# KiCad board CPU2908C3.kicad_pcb
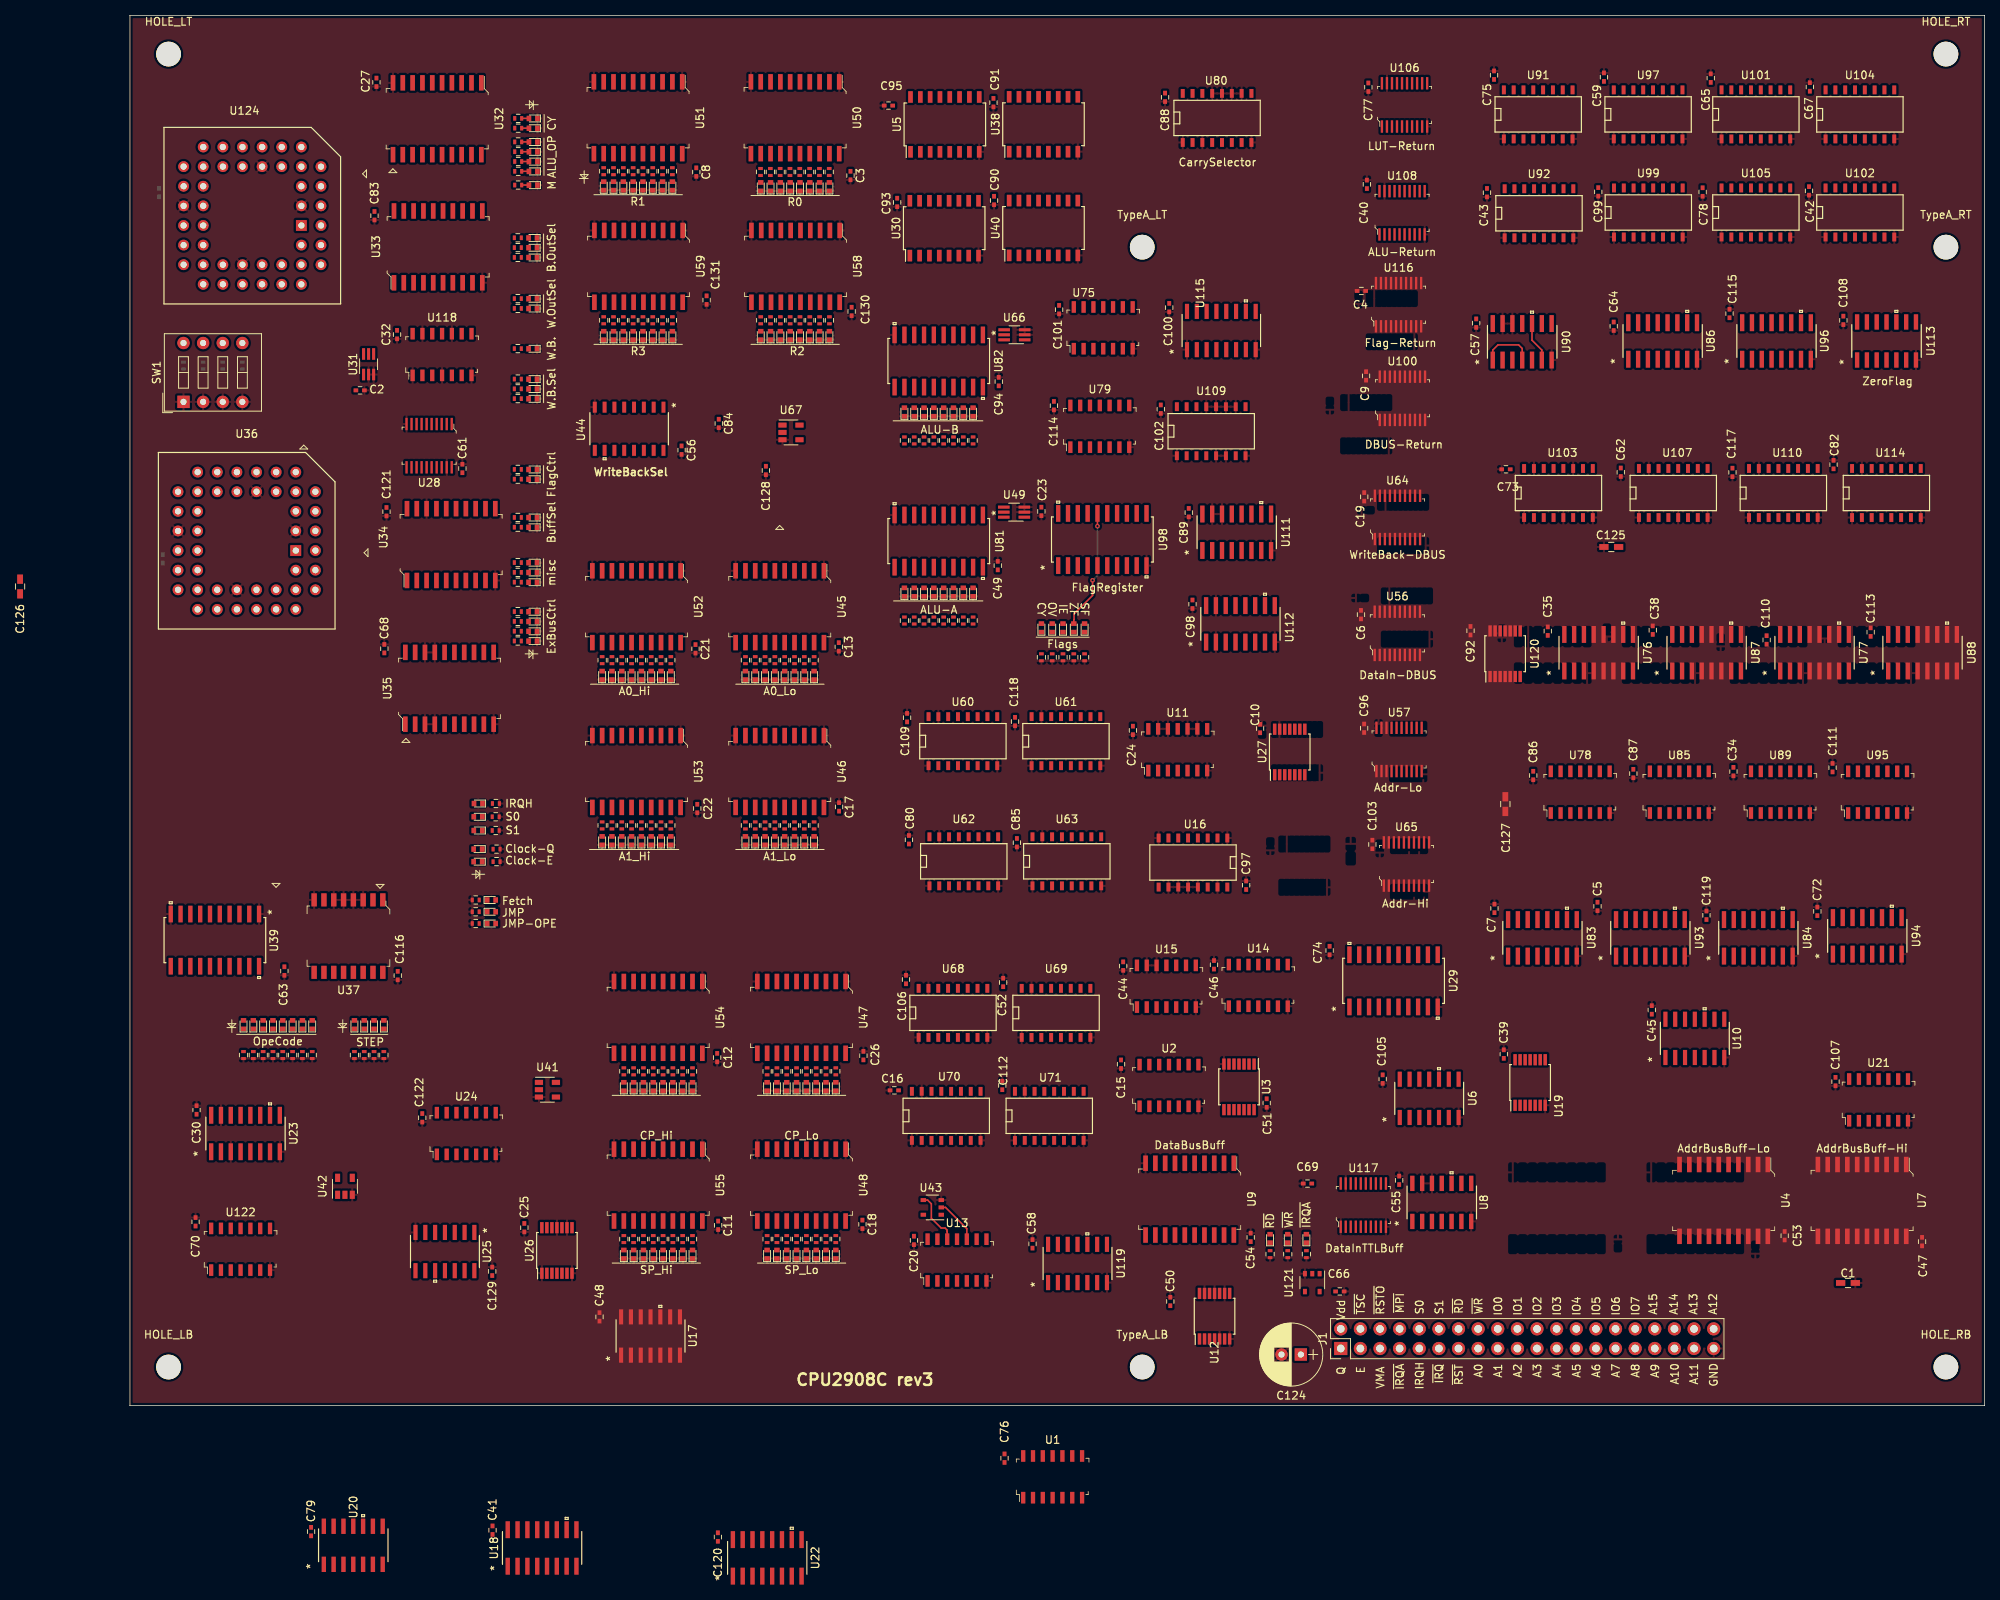
[diagram p0: board, top side]
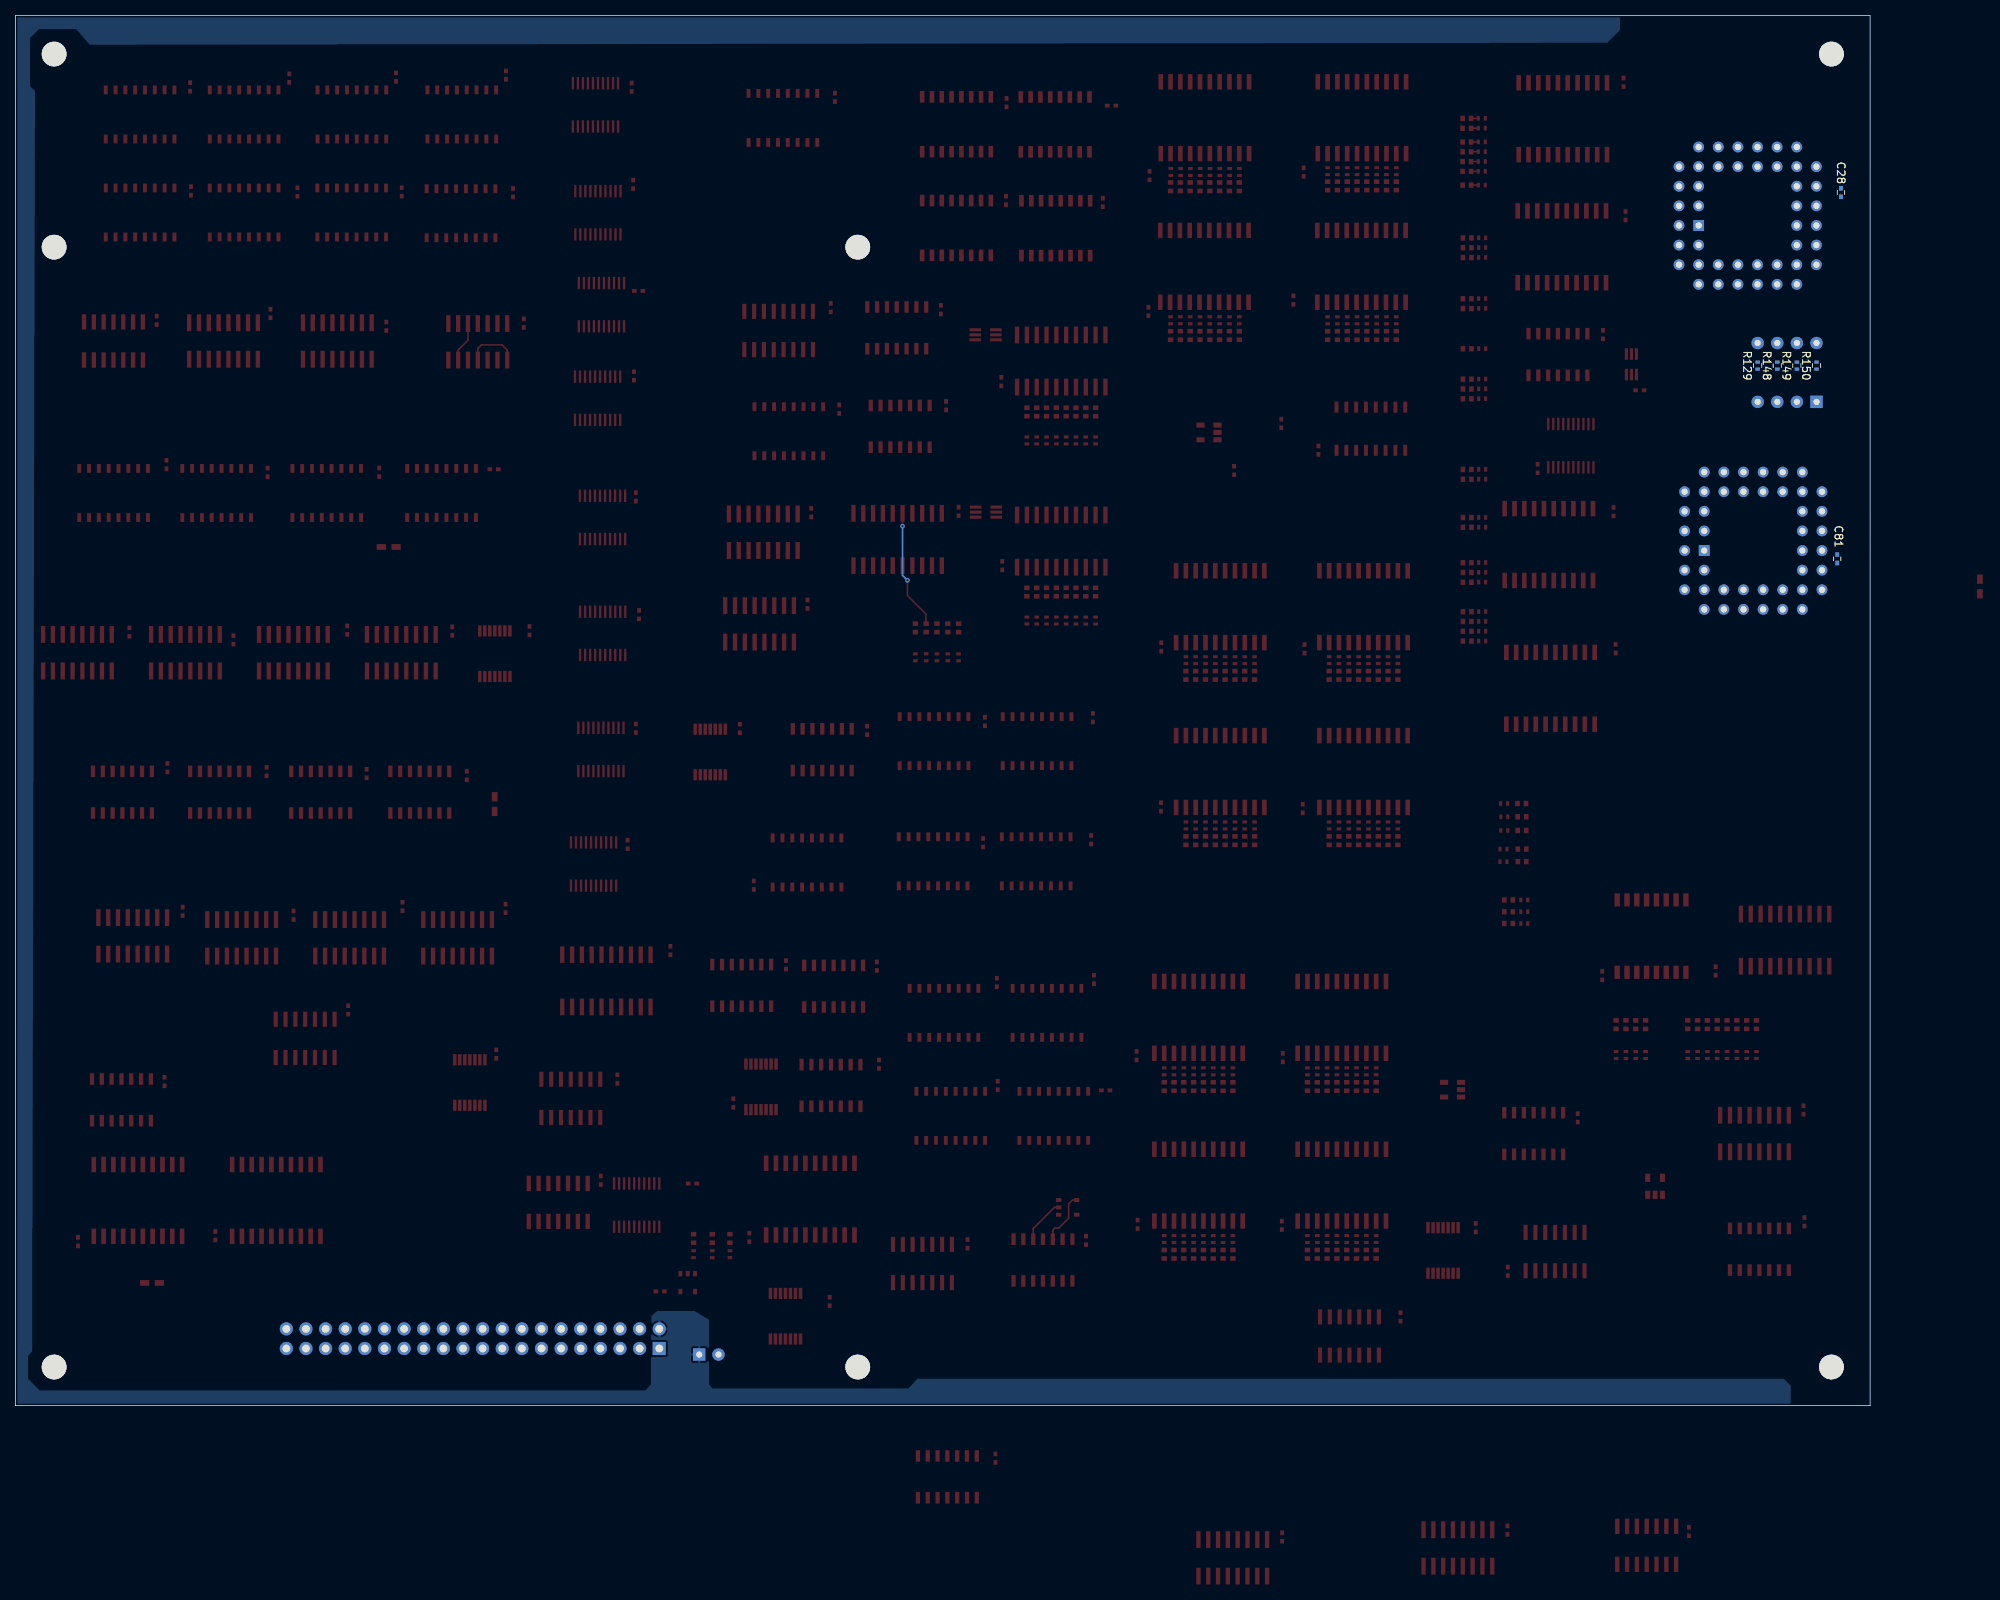
[diagram p1: board, bottom side, seen from below]

Outline 240 x 180 mm; copper layers: Top, Bottom. Coordinates in mm from the lower left corner of the outline.
Outline path: 0,180 240,180 240,0 0,0 0,180

## Placement (name value [footprint] x y rotation side)
C1  10uF  [C_0603_HandSoldering]  222.33 15.89 0 top
C2  0.1uF  [C_0402]  29.79 131.46 0 top
C3  0.1uF  [C_0402]  93.24 159.27 270 top
C4  0.1uF  [C_0402]  159.36 144.33 180 top
C5  0.1uF  [C_0402]  189.91 64.63 270 top
C6  0.1uF  [C_0402]  159.31 102.42 270 top
C7  0.1uF  [C_0402]  176.58 64.38 90 top
C8  0.1uF  [C_0402]  73.29 159.72 270 top
C9  0.1uF  [C_0402]  159.97 133.32 270 top
C10  0.1uF  [C_0402]  146.25 87.67 90 top
C11  0.1uF  [C_0402]  76.12 23.35 270 top
C12  0.1uF  [C_0402]  76 45.06 270 top
C13  0.1uF  [C_0402]  91.73 98.24 270 top
C15  0.1uF  [C_0402]  128.26 44.21 270 top
C16  0.1uF  [C_0402]  98.92 40.82 180 top
C17  0.1uF  [C_0402]  91.77 77.52 90 top
C18  0.1uF  [C_0402]  94.79 23.47 270 top
C19  0.1uF  [C_0402]  159.73 117.67 270 top
C20  0.1uF  [C_0402]  101.46 21.39 270 top
C21  0.1uF  [C_0402]  73.19 97.98 270 top
C22  0.1uF  [C_0402]  73.42 77.31 270 top
C23  0.1uF  [C_0402]  117.95 115.78 270 top
C24  0.1uF  [C_0402]  129.79 87.43 270 top
C25  0.1uF  [C_0402]  51.04 23.04 270 top
C26  0.1uF  [C_0402]  94.92 45.32 90 top
C27  0.1uF  [C_0402]  31.9 171.34 270 top
C28  0.1uF  [C_0402]  3.77 157.07 270 bottom
C30  0.1uF  [C_0402]  8.62 38.28 90 top
C32  0.1uF  [C_0402]  34.57 138.68 270 top
C34  0.1uF  [C_0402]  207.5 82.1 270 top
C35  0.1uF  [C_0402]  183.48 100.28 270 top
C38  0.1uF  [C_0402]  197.06 100.41 270 top
C39  0.1uF  [C_0402]  177.79 45.52 90 top
C40  0.1uF  [C_0402]  160.07 158.13 90 top
C41  0.1uF  [C_0402]  46.93 -16.12 90 top
C42  0.1uF  [C_0402]  217.28 157.28 270 top
C43  0.1uF  [C_0402]  175.61 157.05 270 top
C44  0.1uF  [C_0402]  128.54 56.91 270 top
C45  0.1uF  [C_0402]  196.94 51.24 90 top
C46  0.1uF  [C_0402]  140.28 57.08 90 top
C47  0.1uF  [C_0402]  231.91 21.24 270 top
C48  0.1uF  [C_0402]  60.77 11.49 90 top
C49  0.1uF  [C_0402]  112.3 108.77 90 top
C50  0.1uF  [C_0402]  134.63 13.49 90 top
C51  0.1uF  [C_0402]  147.1 39.18 270 top
C52  0.1uF  [C_0402]  113 54.79 90 top
C53  0.1uF  [C_0402]  214.13 22 90 top
C54  0.1uF  [C_0402]  145.03 21.78 90 top
C55  0.1uF  [C_0402]  164.25 29.17 90 top
C56  0.1uF  [C_0402]  71.39 123.71 270 top
C57  0.1uF  [C_0402]  174.22 140.16 270 top
C58  0.1uF  [C_0402]  116.8 20.95 90 top
C59  0.1uF  [C_0402]  190.75 172.01 90 top
C61  0.1uF  [C_0402]  43.02 121.34 90 top
C62  0.1uF  [C_0402]  192.93 120.85 270 top
C63  0.1uF  [C_0402]  19.99 56.27 270 top
C64  0.1uF  [C_0402]  192.01 139.75 270 top
C65  0.1uF  [C_0402]  204.57 171.89 90 top
C66  0.1uF  [C_0402]  156.58 14.79 0 top
C67  0.1uF  [C_0402]  217.39 170.74 90 top
C68  0.1uF  [C_0402]  32.92 98.01 90 top
C69  0.1uF  [C_0402]  152.39 28.76 180 top
C70  0.1uF  [C_0402]  8.5 23.8 90 top
C72  0.1uF  [C_0402]  218.36 64 90 top
C73  0.1uF  [C_0402]  178.07 121.23 180 top
C74  0.1uF  [C_0402]  155.24 58.93 270 top
C75  0.1uF  [C_0402]  176.53 172.27 90 top
C76  0.1uF  [C_0402]  113.18 -6.8 270 top
C77  0.1uF  [C_0402]  160.26 170.7 270 top
C78  0.1uF  [C_0402]  203.52 157.14 270 top
C79  0.1uF  [C_0402]  23.44 -16.31 270 top
C80  0.1uF  [C_0402]  100.81 73.27 90 top
C81  0.1uF  [C_0402]  4.25 109.65 90 bottom
C82  0.1uF  [C_0402]  220.46 121.85 90 top
C83  0.1uF  [C_0402]  31.65 154.07 270 top
C84  0.1uF  [C_0402]  76.2 127.17 270 top
C85  0.1uF  [C_0402]  114.78 72.89 270 top
C86  0.1uF  [C_0402]  181.6 81.59 270 top
C87  0.1uF  [C_0402]  194.55 81.84 270 top
C88  0.1uF  [C_0402]  133.96 169.4 270 top
C89  0.1uF  [C_0402]  137.02 115.62 270 top
C90  0.1uF  [C_0402]  111.82 156.04 270 top
C91  0.1uF  [C_0402]  111.75 168.71 270 top
C92  0.1uF  [C_0402]  173.48 100.34 270 top
C93  0.1uF  [C_0402]  99.29 155.79 270 top
C94  0.1uF  [C_0402]  112.43 132.59 90 top
C95  0.1uF  [C_0402]  98.16 168.33 180 top
C96  0.1uF  [C_0402]  159.72 87.71 90 top
C97  0.1uF  [C_0402]  144.45 67.38 90 top
C98  0.1uF  [C_0402]  137.5 103.76 270 top
C99  0.1uF  [C_0402]  190.01 157.15 270 top
C100  0.1uF  [C_0402]  134.49 142.17 270 top
C101  0.1uF  [C_0402]  120.24 141.91 270 top
C102  0.1uF  [C_0402]  133.4 129.02 270 top
C103  0.1uF  [C_0402]  160.78 72.66 270 top
C105  0.1uF  [C_0402]  162.11 42.28 270 top
C106  0.1uF  [C_0402]  100.43 55.17 90 top
C107  0.1uF  [C_0402]  220.71 41.96 270 top
C108  0.1uF  [C_0402]  221.73 140.52 270 top
C109  0.1uF  [C_0402]  100.57 89.08 90 top
C110  0.1uF  [C_0402]  211.8 99.14 270 top
C111  0.1uF  [C_0402]  220.33 82.61 90 top
C112  0.1uF  [C_0402]  112.89 41.46 90 top
C113  0.1uF  [C_0402]  225.26 100.16 270 top
C114  0.1uF  [C_0402]  119.57 129.48 270 top
C115  0.1uF  [C_0402]  207 141.41 90 top
C116  0.1uF  [C_0402]  34.66 55.68 270 top
C117  0.1uF  [C_0402]  207.38 120.83 270 top
C118  0.1uF  [C_0402]  114.54 88.57 270 top
C119  0.1uF  [C_0402]  204.01 63.49 90 top
C120  0.1uF  [C_0402]  76.08 -17.01 90 top
C121  0.1uF  [C_0402]  33.2 115.74 270 top
C122  0.1uF  [C_0402]  37.83 37.27 270 top
C124  47uF  [CP_Radial_D8.0mm_P2.50mm]  151.52 6.62 180 top
C125  10uF  [C_0603_HandSoldering]  191.69 111.18 180 top
C126  10uF  [C_0603_HandSoldering]  -14.21 106.06 270 top
C127  10uF  [C_0603_HandSoldering]  177.99 77.89 90 top
C128  0.1uF  [C_0402]  82.3 121.08 270 top
C129  0.1uF  [C_0402]  46.89 17.39 90 top
C130  0.1uF  [C_0402]  93.39 141.67 270 top
C131  0.1uF  [C_0402]  74.63 143.14 270 top
D1  LED_G  [LED_0402]  52.18 166.66 180 top
D2  LED_G  [LED_0402]  52.18 165.39 180 top
D3  LED_G  [LED_0402]  52.18 163.61 180 top
D4  LED_G  [LED_0402]  52.18 162.34 180 top
D5  LED_G  [LED_0402]  52.18 161.07 180 top
D6  LED_G  [LED_0402]  52.18 159.8 180 top
D7  LED_G  [LED_0402]  52.18 158.03 180 top
D8  LED_G  [LED_0402]  52.14 151.2 180 top
D9  LED_G  [LED_0402]  52.14 149.93 180 top
D10  LED_G  [LED_0402]  52.14 148.66 180 top
D11  LED_G  [LED_0402]  52.14 143.32 180 top
D12  LED_G  [LED_0402]  52.14 142.05 180 top
D13  LED_G  [LED_0402]  52.14 136.84 180 top
D14  LED_G  [LED_0402]  52.14 132.91 180 top
D15  LED_G  [LED_0402]  52.14 131.64 180 top
D16  LED_G  [LED_0402]  52.14 130.37 180 top
D17  LED_G  [LED_0402]  52.14 121.21 180 top
D18  LED_G  [LED_0402]  52.14 119.94 180 top
D19  LED_G  [LED_0402]  52.14 114.99 180 top
D20  LED_G  [LED_0402]  52.14 113.72 180 top
D21  LED_G  [LED_0402]  52.14 109.15 180 top
D22  LED_G  [LED_0402]  52.14 107.88 180 top
D23  LED_G  [LED_0402]  52.14 106.61 180 top
D24  LED_G  [LED_0402]  52.14 102.8 180 top
D25  LED_G  [LED_0402]  52.14 101.53 180 top
D26  LED_G  [LED_0402]  52.14 100.26 180 top
D27  LED_G  [LED_0402]  52.14 98.99 180 top
D28  LED_G  [LED_0402]  117.95 100.7 90 top
D29  LED_G  [LED_0402]  119.35 100.7 90 top
D30  LED_G  [LED_0402]  120.75 100.7 90 top
D31  LED_G  [LED_0402]  122.14 100.7 90 top
D32  LED_G  [LED_0402]  123.54 100.7 90 top
D33  LED_W  [LED_0402]  90.52 157.83 90 top
D34  LED_W  [LED_0402]  89.25 157.83 90 top
D35  LED_W  [LED_0402]  87.98 157.83 90 top
D36  LED_W  [LED_0402]  86.71 157.83 90 top
D37  LED_W  [LED_0402]  85.44 157.83 90 top
D38  LED_W  [LED_0402]  84.17 157.83 90 top
D39  LED_W  [LED_0402]  82.9 157.83 90 top
D40  LED_W  [LED_0402]  81.63 157.83 90 top
D41  LED_W  [LED_0402]  70.2 157.93 90 top
D42  LED_W  [LED_0402]  68.93 157.93 90 top
D43  LED_W  [LED_0402]  67.66 157.93 90 top
D44  LED_W  [LED_0402]  66.39 157.93 90 top
D45  LED_W  [LED_0402]  65.12 157.93 90 top
D46  LED_W  [LED_0402]  63.85 157.93 90 top
D47  LED_W  [LED_0402]  62.58 157.93 90 top
D48  LED_W  [LED_0402]  61.31 157.93 90 top
D49  LED_W  [LED_0402]  90.52 138.56 90 top
D50  LED_W  [LED_0402]  89.25 138.56 90 top
D51  LED_W  [LED_0402]  87.98 138.56 90 top
D52  LED_W  [LED_0402]  86.71 138.56 90 top
D53  LED_W  [LED_0402]  85.44 138.56 90 top
D54  LED_W  [LED_0402]  84.17 138.56 90 top
D55  LED_W  [LED_0402]  82.9 138.56 90 top
D56  LED_W  [LED_0402]  81.63 138.56 90 top
D57  LED_W  [LED_0402]  70.2 138.56 90 top
D58  LED_W  [LED_0402]  68.93 138.56 90 top
D59  LED_W  [LED_0402]  67.66 138.56 90 top
D60  LED_W  [LED_0402]  66.39 138.56 90 top
D61  LED_W  [LED_0402]  65.12 138.56 90 top
D62  LED_W  [LED_0402]  63.85 138.56 90 top
D63  LED_W  [LED_0402]  62.58 138.56 90 top
D64  LED_W  [LED_0402]  61.31 138.56 90 top
D65  LED_W  [LED_0402]  88.54 94.56 90 top
D66  LED_W  [LED_0402]  87.27 94.56 90 top
D67  LED_W  [LED_0402]  86 94.56 90 top
D68  LED_W  [LED_0402]  84.73 94.56 90 top
D69  LED_W  [LED_0402]  83.46 94.56 90 top
D70  LED_W  [LED_0402]  82.19 94.56 90 top
D71  LED_W  [LED_0402]  80.92 94.56 90 top
D72  LED_W  [LED_0402]  79.65 94.56 90 top
D73  LED_W  [LED_0402]  70 94.56 90 top
D74  LED_W  [LED_0402]  68.73 94.56 90 top
D75  LED_W  [LED_0402]  67.46 94.56 90 top
D76  LED_W  [LED_0402]  66.19 94.56 90 top
D77  LED_W  [LED_0402]  64.92 94.56 90 top
D78  LED_W  [LED_0402]  63.65 94.56 90 top
D79  LED_W  [LED_0402]  62.38 94.56 90 top
D80  LED_W  [LED_0402]  61.11 94.56 90 top
D81  LED_W  [LED_0402]  88.54 73.16 90 top
D82  LED_W  [LED_0402]  87.27 73.16 90 top
D83  LED_W  [LED_0402]  86 73.16 90 top
D84  LED_W  [LED_0402]  84.73 73.16 90 top
D85  LED_W  [LED_0402]  83.46 73.16 90 top
D86  LED_W  [LED_0402]  82.19 73.16 90 top
D87  LED_W  [LED_0402]  80.92 73.16 90 top
D88  LED_W  [LED_0402]  79.65 73.16 90 top
D89  LED_W  [LED_0402]  70 73.16 90 top
D90  LED_W  [LED_0402]  68.73 73.16 90 top
D91  LED_W  [LED_0402]  67.46 73.16 90 top
D92  LED_W  [LED_0402]  66.19 73.16 90 top
D93  LED_W  [LED_0402]  64.92 73.16 90 top
D94  LED_W  [LED_0402]  63.65 73.16 90 top
D95  LED_W  [LED_0402]  62.38 73.16 90 top
D96  LED_W  [LED_0402]  61.11 73.16 90 top
D97  LED_W  [LED_0402]  91.35 41.32 90 top
D98  LED_W  [LED_0402]  90.08 41.32 90 top
D99  LED_W  [LED_0402]  88.81 41.32 90 top
D100  LED_W  [LED_0402]  87.54 41.32 90 top
D101  LED_W  [LED_0402]  86.27 41.32 90 top
D102  LED_W  [LED_0402]  85 41.32 90 top
D103  LED_W  [LED_0402]  83.73 41.32 90 top
D104  LED_W  [LED_0402]  82.46 41.32 90 top
D105  LED_W  [LED_0402]  72.8 41.32 90 top
D106  LED_W  [LED_0402]  71.53 41.32 90 top
D107  LED_W  [LED_0402]  70.26 41.32 90 top
D108  LED_W  [LED_0402]  68.99 41.32 90 top
D109  LED_W  [LED_0402]  67.72 41.32 90 top
D110  LED_W  [LED_0402]  66.45 41.32 90 top
D111  LED_W  [LED_0402]  65.18 41.32 90 top
D112  LED_W  [LED_0402]  63.91 41.32 90 top
D113  LED_W  [LED_0402]  91.35 19.6 90 top
D114  LED_W  [LED_0402]  90.08 19.6 90 top
D115  LED_W  [LED_0402]  88.81 19.6 90 top
D116  LED_W  [LED_0402]  87.54 19.6 90 top
D117  LED_W  [LED_0402]  86.27 19.6 90 top
D118  LED_W  [LED_0402]  85 19.6 90 top
D119  LED_W  [LED_0402]  83.73 19.6 90 top
D120  LED_W  [LED_0402]  82.46 19.6 90 top
D121  LED_W  [LED_0402]  72.8 19.6 90 top
D122  LED_W  [LED_0402]  71.53 19.6 90 top
D123  LED_W  [LED_0402]  70.26 19.6 90 top
D124  LED_W  [LED_0402]  68.99 19.6 90 top
D125  LED_W  [LED_0402]  67.72 19.6 90 top
D126  LED_W  [LED_0402]  66.45 19.6 90 top
D127  LED_W  [LED_0402]  65.18 19.6 90 top
D128  LED_W  [LED_0402]  63.91 19.6 90 top
D129  LED_W  [LED_0402]  109.11 105.34 90 top
D130  LED_W  [LED_0402]  107.84 105.34 90 top
D131  LED_W  [LED_0402]  106.57 105.34 90 top
D132  LED_W  [LED_0402]  105.3 105.34 90 top
D133  LED_W  [LED_0402]  104.03 105.34 90 top
D134  LED_W  [LED_0402]  102.76 105.34 90 top
D135  LED_W  [LED_0402]  101.49 105.34 90 top
D136  LED_W  [LED_0402]  100.22 105.34 90 top
D137  LED_W  [LED_0402]  109.11 128.66 90 top
D138  LED_W  [LED_0402]  107.84 128.66 90 top
D139  LED_W  [LED_0402]  106.57 128.66 90 top
D140  LED_W  [LED_0402]  105.3 128.66 90 top
D141  LED_W  [LED_0402]  104.03 128.66 90 top
D142  LED_W  [LED_0402]  102.76 128.66 90 top
D143  LED_W  [LED_0402]  101.49 128.66 90 top
D144  LED_W  [LED_0402]  100.22 128.66 90 top
D145  LED_G  [LED_0402]  152.24 21.65 90 top
D146  LED_G  [LED_0402]  149.83 21.65 90 top
D147  LED_G  [LED_0402]  147.54 21.65 90 top
D148  LED_G  [LED_0402]  32.86 49.33 90 top
D149  LED_G  [LED_0402]  31.59 49.33 90 top
D150  LED_G  [LED_0402]  30.32 49.33 90 top
D151  LED_G  [LED_0402]  29.05 49.33 90 top
D152  LED_G  [LED_0402]  23.59 49.33 90 top
D153  LED_G  [LED_0402]  22.32 49.33 90 top
D154  LED_G  [LED_0402]  21.05 49.33 90 top
D155  LED_G  [LED_0402]  19.78 49.33 90 top
D156  LED_G  [LED_0402]  18.51 49.33 90 top
D157  LED_G  [LED_0402]  17.24 49.33 90 top
D158  LED_G  [LED_0402]  15.97 49.33 90 top
D159  LED_G  [LED_0402]  14.7 49.33 90 top
D160  LED_G  [LED_0402]  45.04 72.06 180 top
D161  LED_G  [LED_0402]  45.04 70.43 180 top
D182  LED_W  [LED_0402]  46.78 63.95 0 top
D183  LED_W  [LED_0402]  46.78 62.42 0 top
D184  LED_W  [LED_0402]  45.08 77.96 180 top
D185  LED_W  [LED_0402]  46.78 65.47 0 top
HOLE_LB  -  [MountingHole_3.2mm_M3]  5 5 0 top
HOLE_LT  -  [MountingHole_3.2mm_M3]  5 175 0 top
HOLE_RB  -  [MountingHole_3.2mm_M3]  235 5 0 top
HOLE_RT  -  [MountingHole_3.2mm_M3]  235 175 0 top
J1  Conn_02x20_Odd_Even  [Pin_Header_Straight_2x20_Pitch2.54mm]  156.69 7.4 90 top
R1  47K  [R_0402]  50.25 166.68 180 top
R2  47K  [R_0402]  50.25 165.41 180 top
R3  47K  [R_0402]  50.25 163.63 180 top
R4  47K  [R_0402]  50.25 162.36 180 top
R5  47K  [R_0402]  50.25 161.09 180 top
R6  47K  [R_0402]  50.25 159.82 180 top
R7  47K  [R_0402]  50.25 158.04 180 top
R8  47K  [R_0402]  50.2 151.21 180 top
R9  47K  [R_0402]  50.2 149.94 180 top
R10  47K  [R_0402]  50.2 148.67 180 top
R11  47K  [R_0402]  50.2 143.34 180 top
R12  47K  [R_0402]  50.2 142.07 180 top
R13  47K  [R_0402]  50.2 136.86 180 top
R14  47K  [R_0402]  50.2 132.92 180 top
R15  47K  [R_0402]  50.2 131.65 180 top
R16  47K  [R_0402]  50.2 130.38 180 top
R17  47K  [R_0402]  50.2 121.23 180 top
R18  47K  [R_0402]  50.2 119.96 180 top
R19  47K  [R_0402]  50.2 115.01 180 top
R20  47K  [R_0402]  50.2 113.74 180 top
R21  47K  [R_0402]  50.2 109.16 180 top
R22  47K  [R_0402]  50.2 107.89 180 top
R23  47K  [R_0402]  50.2 106.62 180 top
R24  47K  [R_0402]  50.2 102.81 180 top
R25  47K  [R_0402]  50.2 101.54 180 top
R26  47K  [R_0402]  50.2 100.27 180 top
R27  47K  [R_0402]  50.2 99 180 top
R28  47K  [R_0402]  117.95 96.89 90 top
R29  47K  [R_0402]  119.35 96.89 90 top
R30  47K  [R_0402]  120.75 96.89 90 top
R31  47K  [R_0402]  122.14 96.89 90 top
R32  47K  [R_0402]  123.54 96.89 90 top
R33  47K  [R_0402]  90.5 159.73 90 top
R34  47K  [R_0402]  89.23 159.73 90 top
R35  47K  [R_0402]  87.96 159.73 90 top
R36  47K  [R_0402]  86.69 159.73 90 top
R37  47K  [R_0402]  85.42 159.73 90 top
R38  47K  [R_0402]  84.15 159.73 90 top
R39  47K  [R_0402]  82.88 159.73 90 top
R40  47K  [R_0402]  81.61 159.73 90 top
R41  47K  [R_0402]  70.2 159.83 90 top
R42  47K  [R_0402]  68.93 159.83 90 top
R43  47K  [R_0402]  67.66 159.83 90 top
R44  47K  [R_0402]  66.39 159.83 90 top
R45  47K  [R_0402]  65.12 159.83 90 top
R46  47K  [R_0402]  63.85 159.83 90 top
R47  47K  [R_0402]  62.58 159.83 90 top
R48  47K  [R_0402]  61.31 159.83 90 top
R49  47K  [R_0402]  90.52 140.53 90 top
R50  47K  [R_0402]  89.25 140.53 90 top
R51  47K  [R_0402]  87.98 140.53 90 top
R52  47K  [R_0402]  86.71 140.53 90 top
R53  47K  [R_0402]  85.44 140.53 90 top
R54  47K  [R_0402]  84.17 140.53 90 top
R55  47K  [R_0402]  82.9 140.53 90 top
R56  47K  [R_0402]  81.63 140.53 90 top
R57  47K  [R_0402]  70.2 140.53 90 top
R58  47K  [R_0402]  68.93 140.53 90 top
R59  47K  [R_0402]  67.66 140.53 90 top
R60  47K  [R_0402]  66.39 140.53 90 top
R61  47K  [R_0402]  65.12 140.53 90 top
R62  47K  [R_0402]  63.85 140.53 90 top
R63  47K  [R_0402]  62.58 140.53 90 top
R64  47K  [R_0402]  61.31 140.53 90 top
R65  47K  [R_0402]  88.54 96.52 90 top
R66  47K  [R_0402]  87.27 96.52 90 top
R67  47K  [R_0402]  86 96.52 90 top
R68  47K  [R_0402]  84.73 96.52 90 top
R69  47K  [R_0402]  83.46 96.52 90 top
R70  47K  [R_0402]  82.19 96.52 90 top
R71  47K  [R_0402]  80.92 96.52 90 top
R72  47K  [R_0402]  79.65 96.52 90 top
R73  47K  [R_0402]  70 96.52 90 top
R74  47K  [R_0402]  68.73 96.52 90 top
R75  47K  [R_0402]  67.46 96.52 90 top
R76  47K  [R_0402]  66.19 96.52 90 top
R77  47K  [R_0402]  64.92 96.52 90 top
R78  47K  [R_0402]  63.65 96.52 90 top
R79  47K  [R_0402]  62.38 96.52 90 top
R80  47K  [R_0402]  61.11 96.52 90 top
R81  47K  [R_0402]  88.54 75.12 90 top
R82  47K  [R_0402]  87.27 75.12 90 top
R83  47K  [R_0402]  86 75.12 90 top
R84  47K  [R_0402]  84.73 75.12 90 top
R85  47K  [R_0402]  83.46 75.12 90 top
R86  47K  [R_0402]  82.19 75.12 90 top
R87  47K  [R_0402]  80.92 75.12 90 top
R88  47K  [R_0402]  79.65 75.12 90 top
R89  47K  [R_0402]  70 75.12 90 top
R90  47K  [R_0402]  68.73 75.12 90 top
R91  47K  [R_0402]  67.46 75.12 90 top
R92  47K  [R_0402]  66.19 75.12 90 top
R93  47K  [R_0402]  64.92 75.12 90 top
R94  47K  [R_0402]  63.65 75.12 90 top
R95  47K  [R_0402]  62.38 75.12 90 top
R96  47K  [R_0402]  61.11 75.12 90 top
R97  47K  [R_0402]  91.35 43.29 90 top
R98  47K  [R_0402]  90.08 43.29 90 top
R99  47K  [R_0402]  88.81 43.29 90 top
R100  47K  [R_0402]  87.54 43.29 90 top
R101  47K  [R_0402]  86.27 43.29 90 top
R102  47K  [R_0402]  85 43.29 90 top
R103  47K  [R_0402]  83.73 43.29 90 top
R104  47K  [R_0402]  82.46 43.29 90 top
R105  47K  [R_0402]  72.8 43.29 90 top
R106  47K  [R_0402]  71.53 43.29 90 top
R107  47K  [R_0402]  70.26 43.29 90 top
R108  47K  [R_0402]  68.99 43.29 90 top
R109  47K  [R_0402]  67.72 43.29 90 top
R110  47K  [R_0402]  66.45 43.29 90 top
R111  47K  [R_0402]  65.18 43.29 90 top
R112  47K  [R_0402]  63.91 43.29 90 top
R113  47K  [R_0402]  91.35 21.57 90 top
R114  47K  [R_0402]  90.08 21.57 90 top
R115  47K  [R_0402]  88.81 21.57 90 top
R116  47K  [R_0402]  87.54 21.57 90 top
R117  47K  [R_0402]  86.27 21.57 90 top
R118  47K  [R_0402]  85 21.57 90 top
R119  47K  [R_0402]  83.73 21.57 90 top
R120  47K  [R_0402]  82.46 21.57 90 top
R121  47K  [R_0402]  72.8 21.57 90 top
R122  47K  [R_0402]  71.53 21.57 90 top
R123  47K  [R_0402]  70.26 21.57 90 top
R124  47K  [R_0402]  68.99 21.57 90 top
R125  47K  [R_0402]  67.72 21.57 90 top
R126  47K  [R_0402]  66.45 21.57 90 top
R127  47K  [R_0402]  65.18 21.57 90 top
R128  47K  [R_0402]  63.91 21.57 90 top
R129  10K  [R_0402]  14.55 134.67 90 bottom
R130  47K  [R_0402]  109.11 101.66 90 top
R131  47K  [R_0402]  107.84 101.66 90 top
R132  47K  [R_0402]  106.57 101.66 90 top
R133  47K  [R_0402]  105.3 101.66 90 top
R134  47K  [R_0402]  104.03 101.66 90 top
R135  47K  [R_0402]  102.76 101.66 90 top
R136  47K  [R_0402]  101.49 101.66 90 top
R137  47K  [R_0402]  100.22 101.66 90 top
R138  47K  [R_0402]  109.11 124.97 90 top
R139  47K  [R_0402]  107.84 124.97 90 top
R140  47K  [R_0402]  106.57 124.97 90 top
R141  47K  [R_0402]  105.3 124.97 90 top
R142  47K  [R_0402]  104.03 124.97 90 top
R143  47K  [R_0402]  102.76 124.97 90 top
R144  47K  [R_0402]  101.49 124.97 90 top
R145  47K  [R_0402]  100.22 124.97 90 top
R146  47K  [R_0402]  47.45 72.06 180 top
R147  47K  [R_0402]  47.45 70.43 180 top
R148  10K  [R_0402]  12.01 134.67 90 bottom